# Altium PCB eBox.PcbDoc (part 4 of 4)
Units mm, origin at the board's own origin, x right, y up, seen from the top; angles counter-clockwise.
Board outline 250 x 200 mm, 2 copper layers (Top Layer, Bottom Layer), stack 1.58 mm thick; 518 components, 309 nets, 1482 pads, 776 vias.
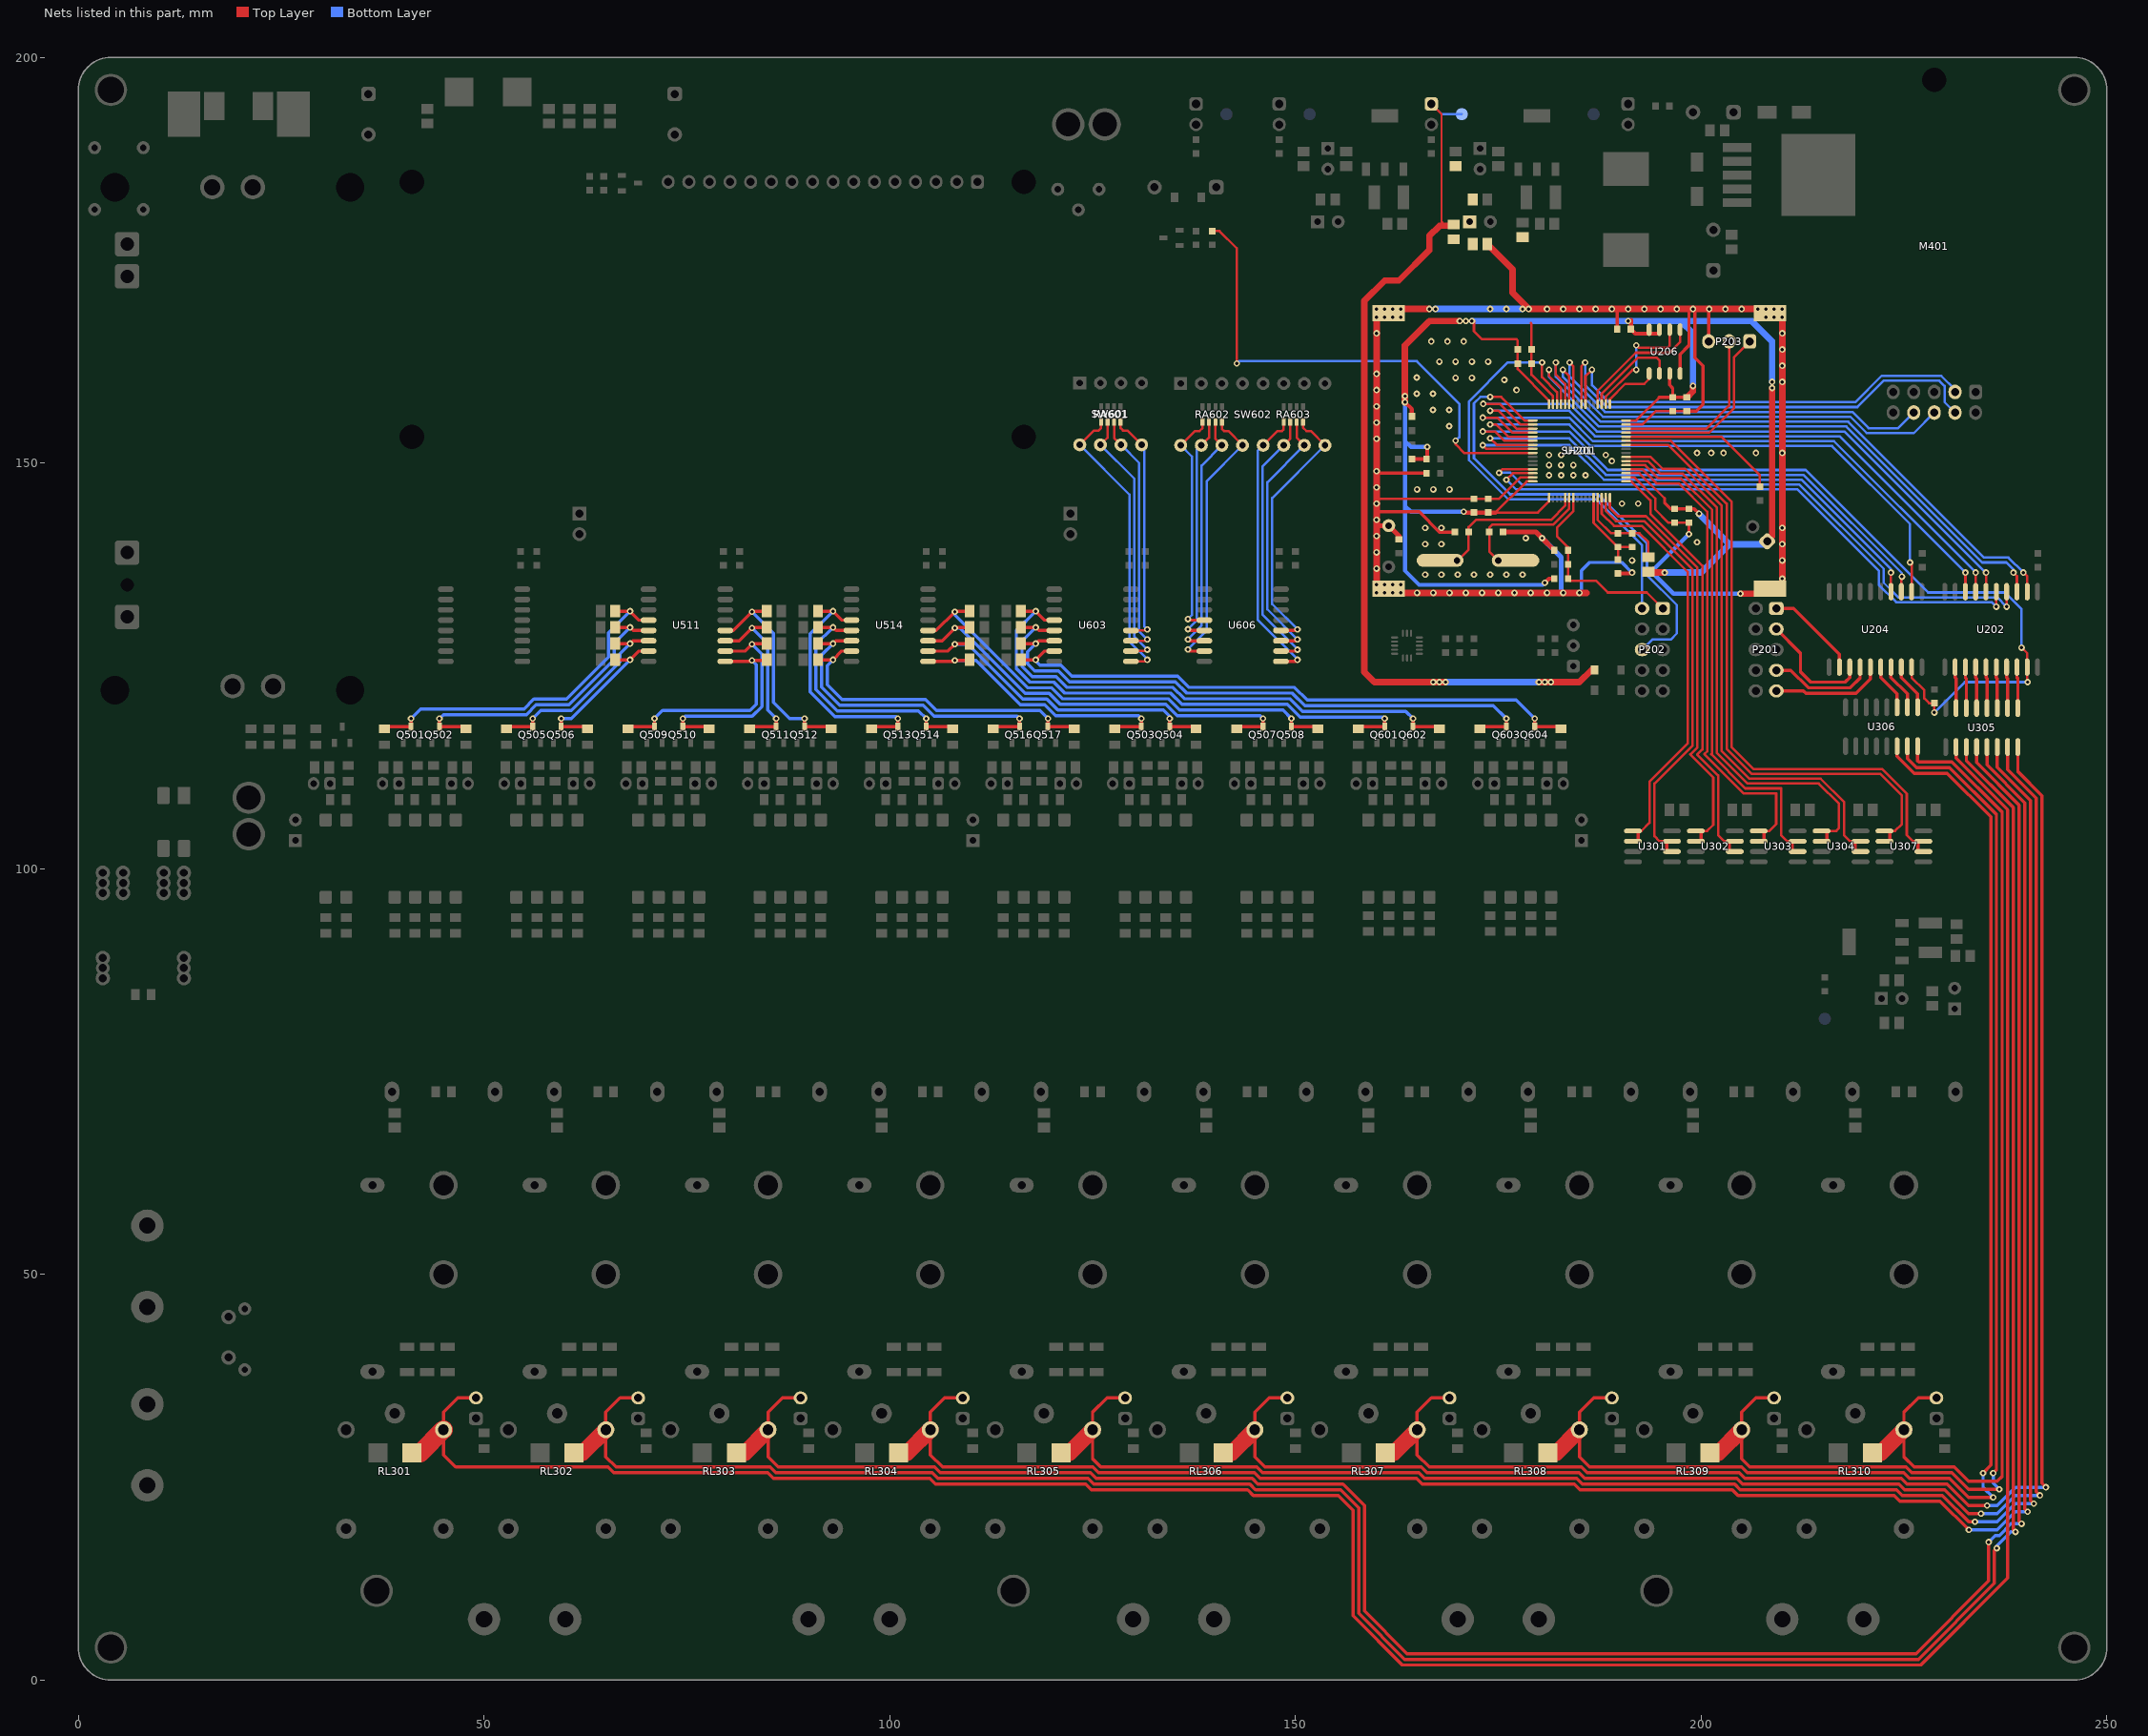
[diagram p4: the nets of this part, all layers, seen from the top]

## Via types
v1: diameter 0.8, hole 0.4, Top Layer to Bottom Layer, tented both sides, 720 vias
v2: diameter 0.66, hole 0.33, Top Layer to Bottom Layer, tented both sides, 56 vias

## Nets (pads, with @x,y where several pads share a name; then routed paths per layer and width w, separated by ;. In a path a pad name is that pad's centre, name@x,y a point inside that pad or via, vN(x,y) a via of type N, cw(c..) or ccw(c..) an arc to the next point about the centre after c; other vN are vias at no path point) (continued)
NetRA601_1: RA601.1 SW601.8 U603.9 | length 36.4
  Top Layer w0.3: SW601.8@123.42,152.25 125.17,154 125.75,154 126.05,154.3 RA601.1@126.05,155.1 ; U603.9@129.725,125.555 131.555,125.555 v1(131.75,125.75)
  Bottom Layer w0.3: SW601.8@123.42,152.25 129.55,146.12 129.55,127.998 131.75,125.798 v1(131.75,125.75) v1@131.773,125.75
NetRA601_2: RA601.2 SW601.7 U603.10 | length 33
  Top Layer w0.3: SW601.7@125.96,152.25 126.85,153.14 RA601.2@126.85,155.1 ; U603.10@129.725,126.825 131.575,126.825 v1(131.75,127)
  Bottom Layer w0.3: SW601.7@125.96,152.25 130.15,148.06 130.15,128.6 v1(131.75,127) v1@131.773,127
NetRA601_3: RA601.3 SW601.6 U603.11 | length 30.7
  Top Layer w0.3: RA601.3@127.65,155.1 127.65,153.1 SW601.6@128.5,152.25 ; U603.11@129.725,128.095 131.595,128.095 v1(131.75,128.25)
  Bottom Layer w0.3: SW601.6@128.5,152.25 130.75,150 130.75,129.25 v1(131.75,128.25) v1@131.773,128.25
NetRA601_4: RA601.4 SW601.5 U603.12 | length 29.4
  Top Layer w0.3: RA601.4@128.45,155.1 128.45,154.3 128.75,154 129.29,154 SW601.5@131.04,152.25 ; U603.12@129.725,129.365 131.615,129.365 v1(131.75,129.5)
  Bottom Layer w0.3: SW601.5@131.04,152.25 131.35,151.94 131.35,129.9 v1(131.75,129.5)
NetRA602_1: RA602.1 SW602.16 U606.4 | length 28.6
  Top Layer w0.3: SW602.16@135.86,152.19 137.61,153.94 138.19,153.94 138.55,154.3 RA602.1@138.55,155.1
  Top Layer w0.4: v1(136.75,130.77) 136.885,130.635 U606.4@138.775,130.635
  Bottom Layer w0.3: SW602.16@135.86,152.19 137.25,150.8 137.25,131.27 v1(136.75,130.77)
NetRA602_2: RA602.2 SW602.15 U606.5 | length 28.7
  Top Layer w0.3: SW602.15@138.4,152.19 139.35,153.14 RA602.2@139.35,155.1
  Top Layer w0.4: v1(136.75,129.52) 136.905,129.365 U606.5@138.775,129.365
  Bottom Layer w0.3: v1(136.75,129.52) 137.85,130.62 137.85,151.64 SW602.15@138.4,152.19
NetRA602_3: RA602.3 SW602.14 U606.6 | length 31
  Top Layer w0.3: RA602.3@140.15,155.1 140.15,152.98 SW602.14@140.94,152.19
  Top Layer w0.4: v1(136.75,128.27) 136.925,128.095 U606.6@138.775,128.095
  Bottom Layer w0.3: v1(136.75,128.27) 138.45,129.97 138.45,149.7 SW602.14@140.94,152.19
NetRA602_4: RA602.4 SW602.13 U606.7 | length 34.3
  Top Layer w0.3: RA602.4@140.95,155.1 140.95,154.18 141.19,153.94 141.73,153.94 SW602.13@143.48,152.19
  Top Layer w0.4: v1(136.75,127.02) 136.945,126.825 U606.7@138.775,126.825
  Bottom Layer w0.3: v1(136.75,127.02) 136.75,127.068 139.05,129.368 139.05,147.76 SW602.13@143.48,152.19
NetRA603_1: RA603.1 SW602.12 U606.9 | length 35.2
  Top Layer w0.3: SW602.12@146.02,152.19 147.77,153.94 148.35,153.94 148.55,154.14 RA603.1@148.55,155.1
  Top Layer w0.4: U606.9@148.225,125.555 150.055,125.555 v1(150.25,125.75)
  Bottom Layer w0.3: SW602.12@146.02,152.19 145.34,151.51 145.34,130.708 150.25,125.798 v1(150.25,125.75)
NetRA603_2: RA603.2 SW602.11 U606.10 | length 33.4
  Top Layer w0.3: SW602.11@148.56,152.19 149.35,152.98 RA603.2@149.35,155.1
  Top Layer w0.4: U606.10@148.225,126.825 150.075,126.825 v1(150.25,127)
  Bottom Layer w0.3: SW602.11@148.56,152.19 145.94,149.57 145.94,131.358 150.25,127.048 v1(150.25,127)
NetRA603_3: RA603.3 SW602.10 U606.11 | length 32.8
  Top Layer w0.3: RA603.3@150.15,155.1 150.15,153.14 SW602.10@151.1,152.19
  Top Layer w0.4: U606.11@148.225,128.095 150.095,128.095 v1(150.25,128.25)
  Bottom Layer w0.3: v1(150.25,128.25) 146.54,131.96 146.54,147.63 SW602.10@151.1,152.19
NetRA603_4: RA603.4 SW602.9 U606.12 | length 33.1
  Top Layer w0.3: RA603.4@150.95,155.1 150.95,154.34 151.35,153.94 151.89,153.94 SW602.9@153.64,152.19
  Top Layer w0.4: U606.12@148.225,129.365 150.115,129.365 v1(150.25,129.5)
  Bottom Layer w0.3: v1(150.25,129.5) 147.14,132.61 147.14,145.69 SW602.9@153.64,152.19
NetU201_14: U201.14 U301.1 U301.2 | length 52.8
  Top Layer w0.3: U201.14@187.75,145.75 187.75,143.75 189.25,142.25 192.704,142.25 198.35,136.604 198.35,115.449 193.65,110.749 193.65,105.65 192.655,104.655 192.25,104.655 U301.1@191.6,104.655
  Top Layer w0.4: U301.2@191.6,103.385 192.25,103.385 U301.1@192.25,104.655
NetU201_15: U201.15 U301.6 U301.7 | length 54.5
  Top Layer w0.3: U201.15@188.25,145.75 188.25,144.099 189.499,142.85 192.953,142.85 198.95,136.853 198.95,115.2 194.25,110.5 194.25,104 194.865,103.385 195.75,103.385 U301.7@196.4,103.385
  Top Layer w0.4: U301.7@195.75,103.385 195.75,102.115 U301.6@196.4,102.115
NetU201_16: U201.16 U302.1 U302.2 | length 52.8
  Top Layer w0.3: U201.16@188.75,145.75 188.75,144.447 189.747,143.45 193.201,143.45 199.55,137.101 199.55,114.951 198.674,114.076 201.5,111.25 201.5,105.405 200.75,104.655 200,104.655 U302.1@199.35,104.655
  Top Layer w0.4: U302.2@199.35,103.385 200,103.385 U302.1@200,104.655
NetU201_17: U201.17 U302.6 U302.7 | length 53.5
  Top Layer w0.3: U201.17@190.75,147.75 191.401,147.75 193.75,145.401 193.75,143.75 200.15,137.35 200.15,114.703 199.523,114.076 202.1,111.499 202.1,104.15 202.865,103.385 203.5,103.385 U302.7@204.15,103.385
  Top Layer w0.4: U302.7@203.5,103.385 203.5,102.115 U302.6@204.15,102.115
NetU201_20: U201.20 U303.1 U303.2 | length 61.3
  Top Layer w0.3: U201.20@190.75,149.25 192.75,149.25 194.504,147.496 197.262,147.496 200.75,144.007 200.75,114.454 200.401,114.106 205.207,109.3 209.25,109.3 209.25,105.5 208.405,104.655 207.75,104.655 U303.1@207.1,104.655
  Top Layer w0.4: U303.2@207.1,103.385 207.75,103.385 U303.1@207.75,104.655
NetU201_21: U201.21 U303.6 U303.7 | length 63.4
  Top Layer w0.3: U201.21@190.75,149.75 193.099,149.75 194.753,148.096 197.51,148.096 201.35,144.256 201.35,114.206 201.25,114.106 205.456,109.9 209.85,109.9 209.85,104.15 210.615,103.385 211.25,103.385 U303.7@211.9,103.385
  Top Layer w0.4: U303.7@211.25,103.385 211.25,102.115 U303.6@211.9,102.115
NetU201_22: U201.22 U304.1 U304.2 | length 68.7
  Top Layer w0.3: U201.22@190.75,150.25 193.447,150.25 195.001,148.696 197.759,148.696 201.95,144.504 201.95,114.254 205.704,110.5 214.5,110.5 217,108 217,105 216.655,104.655 215.5,104.655 U304.1@214.85,104.655
  Top Layer w0.4: U304.2@214.85,103.385 215.5,103.385 U304.1@215.5,104.655
NetU201_23: U201.23 U304.6 U304.7 | length 70.6
  Top Layer w0.3: U201.23@190.75,150.75 193.796,150.75 195.25,149.296 198.007,149.296 202.55,144.753 202.55,114.503 205.953,111.1 214.749,111.1 217.6,108.249 217.6,104.15 218.365,103.385 219,103.385 U304.7@219.65,103.385
  Top Layer w0.4: U304.7@219,103.385 219,102.115 U304.6@219.65,102.115
NetU201_26: U201.26 U307.1 U307.2 | length 77.6
  Top Layer w0.3: U201.26@190.75,152.25 195.901,152.25 203.15,145.001 203.15,114.751 206.201,111.7 222.05,111.7 224.75,109 224.75,105.5 223.905,104.655 223.25,104.655 U307.1@222.6,104.655
  Top Layer w0.4: U307.2@222.6,103.385 223.25,103.385 U307.1@223.25,104.655
NetU201_27: U201.27 U307.6 U307.7 | length 79.7
  Top Layer w0.3: U201.27@190.75,152.75 196.25,152.75 203.75,145.25 203.75,115 206.45,112.3 222.299,112.3 225.35,109.249 225.35,104.15 226.115,103.385 226.75,103.385 U307.7@227.4,103.385
  Top Layer w0.4: U307.7@226.75,103.385 226.75,102.115 U307.6@227.4,102.115
NetU202_12: U202.12 U305.7 | length 5.1
  Top Layer w0.4: U202.12@231.305,124.85 231.305,123.575 231.42,123.46 U305.7@231.42,119.8
NetU202_13: U202.13 U305.6 | length 5.1
  Top Layer w0.4: U202.13@232.575,124.85 232.575,123.575 232.69,123.46 U305.6@232.69,119.8
NetU202_14: U202.14 U305.5 | length 5.1
  Top Layer w0.4: U202.14@233.845,124.85 233.845,123.575 233.96,123.46 U305.5@233.96,119.8
NetU202_15: U202.15 U305.4 | length 5.1
  Top Layer w0.4: U202.15@235.115,124.85 235.115,123.575 235.23,123.46 U305.4@235.23,119.8
NetU202_16: U202.16 U305.3 | length 5.1
  Top Layer w0.4: U202.16@236.385,124.85 236.385,123.575 236.5,123.46 U305.3@236.5,119.8
NetU202_17: U202.17 U305.2 | length 5.1
  Top Layer w0.4: U202.17@237.655,124.85 237.655,123.575 237.77,123.46 U305.2@237.77,119.8
NetU202_18: U202.18 U305.1 | length 5.1
  Top Layer w0.4: U202.18@238.925,124.85 238.925,123.575 239.04,123.46 U305.1@239.04,119.8
NetU204_16: U204.16 U306.3 | length 5.8
  Top Layer w0.4: U204.16@222.135,124.85 222.135,123.575 224.155,121.555 U306.3@224.155,119.9
NetU204_17: U204.17 U306.2 | length 5.8
  Top Layer w0.4: U204.17@223.405,124.85 223.405,123.575 225.425,121.555 U306.2@225.425,119.9
NetU204_18: U204.18 U306.1 | length 5.8
  Top Layer w0.4: U204.18@224.675,124.85 224.675,123.575 226.695,121.555 U306.1@226.695,119.9
NRST: C215.1 P202.1 R204.1 R205.1 U201.7 | length 24.6
  Top Layer w0.3: U201.7@184.25,145.75 184.25,144.053 182.25,142.053 182.25,141 183.6,139.65 C215.1@183.6,139.25 R205.1@183.6,137.5 R204.1@183.6,135.75 183.85,135.5 187.053,135.5 188.503,134.05 193.3,134.05 P202.1@195.27,132.08
PA11_OUT0: U201.44 U202.2 | length 77.3
  Top Layer w0.3: v1(182.1,162.4) 182.1,160.9 183.25,159.75 U201.44@183.25,157.5 ; v1(239.722,136.5) 240.195,136.027 U202.2@240.195,134.15
  Bottom Layer w0.3: v1(182.1,162.4) 182.1,160.65 187.65,155.1 218.144,155.1 234.894,138.35 237.872,138.35 v1(239.722,136.5)
PA12_OUT1: U201.45 U202.3 | length 75.5
  Top Layer w0.3: v1(181.25,161.5) 181.25,160.75 182.75,159.25 U201.45@182.75,157.5 ; v1(238.5,136.5) 238.925,136.075 U202.3@238.925,134.15
  Bottom Layer w0.3: v1(181.25,161.5) 181.25,160.651 187.401,154.5 217.896,154.5 234.646,137.75 237.624,137.75 238.5,136.874 v1(238.5,136.5)
PA15_OUT4: U201.50 U202.6 | length 80.1
  Top Layer w0.3: v1(173.15,157.3) 175.2,157.3 177.75,154.75 U201.50@179.25,154.75 ; U202.6@235.115,134.15 v1(235.115,136.5)
  Bottom Layer w0.3: v1(173.15,157.3) 183.753,157.3 187.153,153.9 217.647,153.9 235.047,136.5 v1(235.115,136.5)
PB2_LED: R206.1 U201.28 | length 19.9
  Top Layer w0.3: U201.28@190.75,153.25 202.5,153.25 207.25,148.5 R206.1@207.25,147.1
PB3_OUT8: U201.55 U204.3 | length 65.5
  Top Layer w0.3: v1(174,153.05) 174.8,152.25 U201.55@179.25,152.25 ; U204.3@224.675,134.15 224.675,135.925 v1(224.75,136)
  Bottom Layer w0.3: v1(174,153.05) 183.76,153.05 188.26,148.55 212.625,148.55 224.75,136.425 v1(224.75,136)
PB4_OUT9: U201.56 U204.4 | length 65.7
  Top Layer w0.3: v1(173.1,152.2) 173.55,151.75 U201.56@179.25,151.75 ; U204.4@223.405,134.15 v1(223.405,136.5)
  Bottom Layer w0.3: v1(173.1,152.2) 183.762,152.2 188.012,147.95 212.376,147.95 223.405,136.921 v1(223.405,136.5)
PB5_BUZZER: R207.2 U201.57 | length 62.9
  Top Layer w0.3: R207.2@139.75,178.6 140.65,178.6 142.775,176.475 v1(142.775,162.275) ; v1(169.75,152.75) 169.75,152.296 170.796,151.25 U201.57@179.25,151.25
  Bottom Layer w0.3: v1(142.775,162.275) 143.05,162.55 164.95,162.55 170.2,157.3 170.2,153.2 v1(169.75,152.75)
PB8_OUT2: U201.61 U202.4 | length 76.6
  Top Layer w0.3: v1(175.1,148.8) 175.55,149.25 U201.61@179.25,149.25 ; v1(237.655,132.3) U202.4@237.655,134.15
  Bottom Layer w0.3: v1(175.1,148.8) 176.5,148.8 177.95,147.35 212.128,147.35 222.5,136.978 222.5,135.25 224.3,133.45 236.505,133.45 v1(237.655,132.3)
PB9_OUT3: U201.62 U202.5 | length 73.3
  Top Layer w0.3: v1(176,147.95) 176.8,148.75 U201.62@179.25,148.75 ; v1(236.385,132.3) U202.5@236.385,134.15
  Bottom Layer w0.3: v1(176,147.95) 177.2,146.75 211.879,146.75 221.9,136.729 221.9,135.001 224.051,132.85 235.835,132.85 v1(236.385,132.3)
PC10_OUT5: U201.51 U202.7 | length 76.6
  Top Layer w0.3: v1(174,156.45) 175.05,156.45 177.25,154.25 U201.51@179.25,154.25 ; U202.7@233.845,134.15 v1(233.845,136.5)
  Bottom Layer w0.3: v1(174,156.45) 183.754,156.45 186.904,153.3 217.045,153.3 v1(233.845,136.5)
PC11_OUT6: U201.52 U202.8 | length 76.7
  Top Layer w0.3: v1(173.1,155.6) 174.9,155.6 176.75,153.75 U201.52@179.25,153.75 ; U202.8@232.575,134.15 v1(232.575,136.5)
  Bottom Layer w0.3: v1(173.1,155.6) 183.756,155.6 186.656,152.7 216.375,152.7 v1(232.575,136.5)
PC12_OUT7: U201.53 U204.2 | length 71.1
  Top Layer w0.3: v1(174,154.75) 174.75,154.75 176.25,153.25 U201.53@179.25,153.25 ; v1(225.75,137.75) 225.945,137.555 U204.2@225.945,134.15
  Bottom Layer w0.3: v1(174,154.75) 183.757,154.75 186.407,152.1 216.126,152.1 225.75,142.476 v1(225.75,137.75)
PD2_OE: R209.2 U201.54 U202.19 U204.19 | length 111.6
  Top Layer w0.3: v1(173.1,153.9) 174.6,153.9 175.75,152.75 U201.54@179.25,152.75 ; U204.19@225.945,124.85 225.945,123.555 227.5,122 227.5,121 228.1,120.4 R209.2@228.75,120.4 v1(228.75,119.25) ; v1(239.5,127.25) 240.195,126.555 U202.19@240.195,124.85 240.195,123.055 v1(240.25,123)
  Bottom Layer w0.3: v1(173.1,153.9) 183.759,153.9 188.509,149.15 212.874,149.15 227.974,134.05 237.45,134.05 239.5,132 v1(239.5,127.25) ; v1(228.75,119.25) 232.5,123 v1(240.25,123)
PERST: M401.4 U201.40 | length 58.7
  Top Layer w0.3: U201.40@185.25,157.5 185.25,161.95 v1(185.7,162.4)
  Bottom Layer w0.3: v1(185.7,162.4) 185.7,159.603 188.403,156.9 219.249,156.9 222.499,160.15 229.35,160.15 230,159.5 230,157.52 M401.4@231.29,156.23
PLED7_CLK: P201.7 U204.14 | length 13.1
  Top Layer w0.4: P201.7@209.27,124.46 211.05,124.46 213.21,122.3 218.395,122.3 219.595,123.5 U204.14@219.595,124.85
PLED7_LE: P201.3 U204.13 | length 14.6
  Top Layer w0.4: P201.3@209.27,129.54 212.25,126.56 212.25,124.25 213.5,123 217.75,123 218.325,123.575 U204.13@218.325,124.85
PLED7_OE: P201.1 U204.12 | length 11.7
  Top Layer w0.4: P201.1@209.27,132.08 211.42,132.08 217.055,126.445 U204.12@217.055,124.85
PLED7_SDI: P201.9 U204.15 | length 13.9
  Top Layer w0.4: P201.9@209.27,121.92 212.6,121.92 212.92,121.6 219.1,121.6 220.865,123.365 U204.15@220.865,124.85
PWRON: M401.3 U201.39 | length 54.2
  Top Layer w0.3: U201.39@185.75,157.5 185.75,160.7 v1(186.55,161.5)
  Bottom Layer w0.3: v1(186.55,161.5) 186.55,159.601 188.651,157.5 219,157.5 222.25,160.75 229.599,160.75 231.29,159.059 M401.3@231.29,158.77
RCC_OSC_IN: C224.1 U201.5 Y201.1 Y202.1 | length 20.9
  Top Layer w0.3: Y201.1@167.75,138 Y202.1@169.92,138 170,138 171.35,139.35 C224.1@171.35,141.5 171.35,142.1 172.25,143 181.5,143 183.25,144.75 U201.5@183.25,145.75
RCC_OSC_OUT: C225.1 U201.6 Y201.2 Y202.2 | length 16.7
  Top Layer w0.3: Y202.2@175,138 173.9,139.1 C225.1@173.9,141.5 173.9,142.05 174.25,142.4 181.749,142.4 183.75,144.401 U201.6@183.75,145.75
RL_0: D301.2 D302.1 RL301.1 U305.10 | length 335.7
  Top Layer w0.4: D301.2@49,34.77 46.77,34.77 45,33 RL301.1@45,30.85 45,27.75 46.5,26.25 65.26,26.25 65.96,25.55 84.97,25.55 85.67,24.85 104.93,24.85 105.63,24.15 124.14,24.15 124.84,23.45 144.1,23.45 144.8,22.75 155.27,22.75 157.1,20.92 157.1,7.92 163.17,1.85 227.08,1.85 237.8,12.57 237.8,107.26 231.42,113.64 U305.10@231.42,115
  Top Layer w2.3: D302.1@41.1,28 42.15,28 RL301.1@45,30.85
RL_1: D303.2 D304.1 RL302.1 U305.11 | length 315.3
  Top Layer w0.4: D303.2@69,34.77 66.77,34.77 65,33 RL302.1@65,30.85 65,27.5 66.25,26.25 85.26,26.25 85.96,25.55 105.22,25.55 105.92,24.85 124.43,24.85 125.13,24.15 144.39,24.15 145.09,23.45 155.56,23.45 157.8,21.21 157.8,8.21 163.46,2.55 226.79,2.55 236.15,11.91 236.15,15.95 v1(236.45,16.25) ; U305.11@232.69,115 232.69,113.36 238.5,107.55 238.5,18.5 v1(238.75,18.25)
  Top Layer w2: D304.1@61.1,28 62.15,28 RL302.1@65,30.85
  Bottom Layer w0.4: v1(236.45,16.25) 236.45,16.5 238.2,18.25 v1(238.75,18.25)
RL_2: D305.2 D306.1 RL303.1 U305.12 | length 295
  Top Layer w0.4: D305.2@89,34.77 86.77,34.77 85,33 RL303.1@85,30.85 85,27.5 86.25,26.25 105.51,26.25 106.21,25.55 124.72,25.55 125.42,24.85 144.68,24.85 145.38,24.15 155.85,24.15 158.5,21.5 158.5,8.5 163.75,3.25 226.5,3.25 235.45,12.2 v1(235.45,17) ; U305.12@233.96,115 233.96,113.08 239.2,107.84 239.2,19.55 v1(239.5,19.25)
  Top Layer w2: D306.1@81.1,28 82.15,28 RL303.1@85,30.85
  Bottom Layer w0.4: v1(235.45,17) 236.25,17.8 236.76,17.8 238.21,19.25 v1(239.5,19.25)
RL_3: D307.2 D308.1 RL304.1 U305.13 | length 255.4
  Top Layer w0.4: D307.2@109,34.77 106.77,34.77 105,33 RL304.1@105,30.85 105,27.75 106.5,26.25 125.01,26.25 125.71,25.55 144.97,25.55 145.67,24.85 164.93,24.85 165.63,24.15 184.39,24.15 185.09,23.45 203.85,23.45 204.55,22.75 223.81,22.75 224.51,22.05 229.45,22.05 v1(233,18.5) ; U305.13@235.23,115 235.23,112.8 239.9,108.13 239.9,21.1 v1(240.25,20.75)
  Top Layer w2: D308.1@101.1,28 D308.1@102.15,28 ; D308.1@102.15,28 RL304.1@105,30.85 D308.1@102.15,28
  Bottom Layer w0.4: v1(233,18.5) 236.47,18.5 238.72,20.75 v1(240.25,20.75)
RL_4: D309.2 D310.1 RL305.1 U305.14 | length 230.8
  Top Layer w0.4: D309.2@129,34.77 126.77,34.77 125,33 RL305.1@125,30.85 125,27.25 126,26.25 145.26,26.25 145.96,25.55 165.22,25.55 165.92,24.85 184.68,24.85 185.38,24.15 204.14,24.15 204.84,23.45 224.1,23.45 224.8,22.75 229.74,22.75 232.99,19.5 v1(233.75,19.5) ; U305.14@236.5,115 236.5,112.52 240.6,108.42 240.6,22.15 v1(241,21.75)
  Top Layer w2: D310.1@121.1,28 122.15,28 RL305.1@125,30.85
  Bottom Layer w0.4: v1(233.75,19.5) 236.48,19.5 238.73,21.75 v1(241,21.75)
RL_5: D311.2 D312.1 RL306.1 U305.15 | length 209.8
  Top Layer w0.4: D311.2@149,34.77 146.77,34.77 145,33 RL306.1@145,30.85 145,27.5 146.25,26.25 165.51,26.25 166.21,25.55 184.97,25.55 185.67,24.85 204.43,24.85 205.13,24.15 224.39,24.15 225.09,23.45 230.03,23.45 232.98,20.5 v1(234.5,20.5) ; U305.15@237.77,115 237.77,112.24 241.3,108.71 241.3,23.2 v1(241.75,22.75)
  Top Layer w2: D312.1@141.1,28 142.15,28 RL306.1@145,30.85
  Bottom Layer w0.4: v1(234.5,20.5) 236.49,20.5 238.74,22.75 v1(241.75,22.75)
RL_6: D313.2 D314.1 RL307.1 U305.16 | length 188.8
  Top Layer w0.4: D313.2@169,34.77 166.77,34.77 165,33 RL307.1@165,30.85 165,27.75 166.5,26.25 185.26,26.25 185.96,25.55 204.72,25.55 205.42,24.85 224.68,24.85 225.38,24.15 230.32,24.15 232.97,21.5 v1(235.25,21.5) ; U305.16@239.04,115 239.04,111.96 242,109 242,24.25 v1(242.5,23.75)
  Top Layer w2: D314.1@161.1,28 162.15,28 RL307.1@165,30.85
  Bottom Layer w0.4: v1(235.25,21.5) 236.5,21.5 238.75,23.75 v1(242.5,23.75)
RL_7: D315.2 D316.1 RL308.1 U306.14 | length 173.1
  Top Layer w0.4: D315.2@189,34.77 186.77,34.77 185,33 RL308.1@185,30.85 185,27.5 186.25,26.25 205.01,26.25 205.71,25.55 224.97,25.55 225.67,24.85 230.61,24.85 232.96,22.5 v1(236,22.5) ; U306.14@224.155,115.1 224.155,113.845 226.25,111.75 230.34,111.75 235.7,106.39 235.7,26.473 234.75,25.523 v1(234.75,25.5)
  Top Layer w2: D316.1@181.1,28 D316.1@182.15,28 ; D316.1@182.15,28 RL308.1@185,30.85 D316.1@182.15,28
  Bottom Layer w0.4: v1(234.75,25.5) 234.75,23.75 v1(236,22.5)
RL_8: D317.2 D318.1 RL309.1 U306.15 | length 147.9
  Top Layer w0.4: D317.2@209,34.77 206.77,34.77 205,33 RL309.1@205,30.85 205,27.25 206,26.25 225.26,26.25 225.96,25.55 230.9,25.55 232.95,23.5 v1(236.75,23.5) ; U306.15@225.425,115.1 225.425,113.565 226.54,112.45 230.63,112.45 236.4,106.68 236.4,25.9 v1(236,25.5)
  Top Layer w2: D318.1@201.1,28 202.15,28 RL309.1@205,30.85
  Bottom Layer w0.4: v1(236,25.5) 236,24.25 v1(236.75,23.5)
RL_9: D319.2 D320.1 RL310.1 U306.16 | length 125.6
  Top Layer w0.4: U306.16@226.695,115.1 226.695,113.285 226.83,113.15 230.92,113.15 237.1,106.97 237.1,25.1 236.5,24.5 232.94,24.5 231.19,26.25 226.25,26.25 225,27.5 RL310.1@225,30.85 225,33 226.77,34.77 D319.2@229,34.77
  Top Layer w2: D320.1@221.1,28 222.15,28 RL310.1@225,30.85
SAC10: C509.2 Q501.3 R505.1 U511.4 | length 43.2
  Top Layer w0.4: R505.1@37.75,117.225 38.025,117.5 Q501.3@41,117.5 v1(41,118.5) ; C509.2@66.15,131.75 v1(68,131.75) 69.115,130.635 U511.4@70.275,130.635
  Bottom Layer w0.4: v1(41,118.5) 42.2,119.7 54.937,119.7 56.137,120.9 60.17,120.9 65.355,126.085 65.355,129.105 v1(68,131.75)
SAC11: C511.2 Q505.3 R521.1 U511.6 | length 25.1
  Top Layer w0.4: R521.1@52.75,117.225 53.025,117.5 Q505.3@56,117.5 v1(56,118.5) ; C511.2@66.15,127.75 v1(68,127.75) 68.345,128.095 U511.6@70.275,128.095
  Bottom Layer w0.4: v1(56,118.5) 57,119.5 60.75,119.5 65.5,124.25 65.51,124.25 66.755,125.495 66.755,126.505 v1(68,127.75)
SAC12: C513.2 Q509.3 R535.1 U511.9 | length 28.5
  Top Layer w0.4: R535.1@67.75,117.225 68.025,117.5 Q509.3@71,117.5 v1(71,118.5) ; U511.9@79.725,125.555 82.905,125.555 v1(83.025,125.675) 84.775,125.675 C513.2@84.85,125.75